# Altium PCB PCB1.PcbDoc (part 6 of 8) (continued)
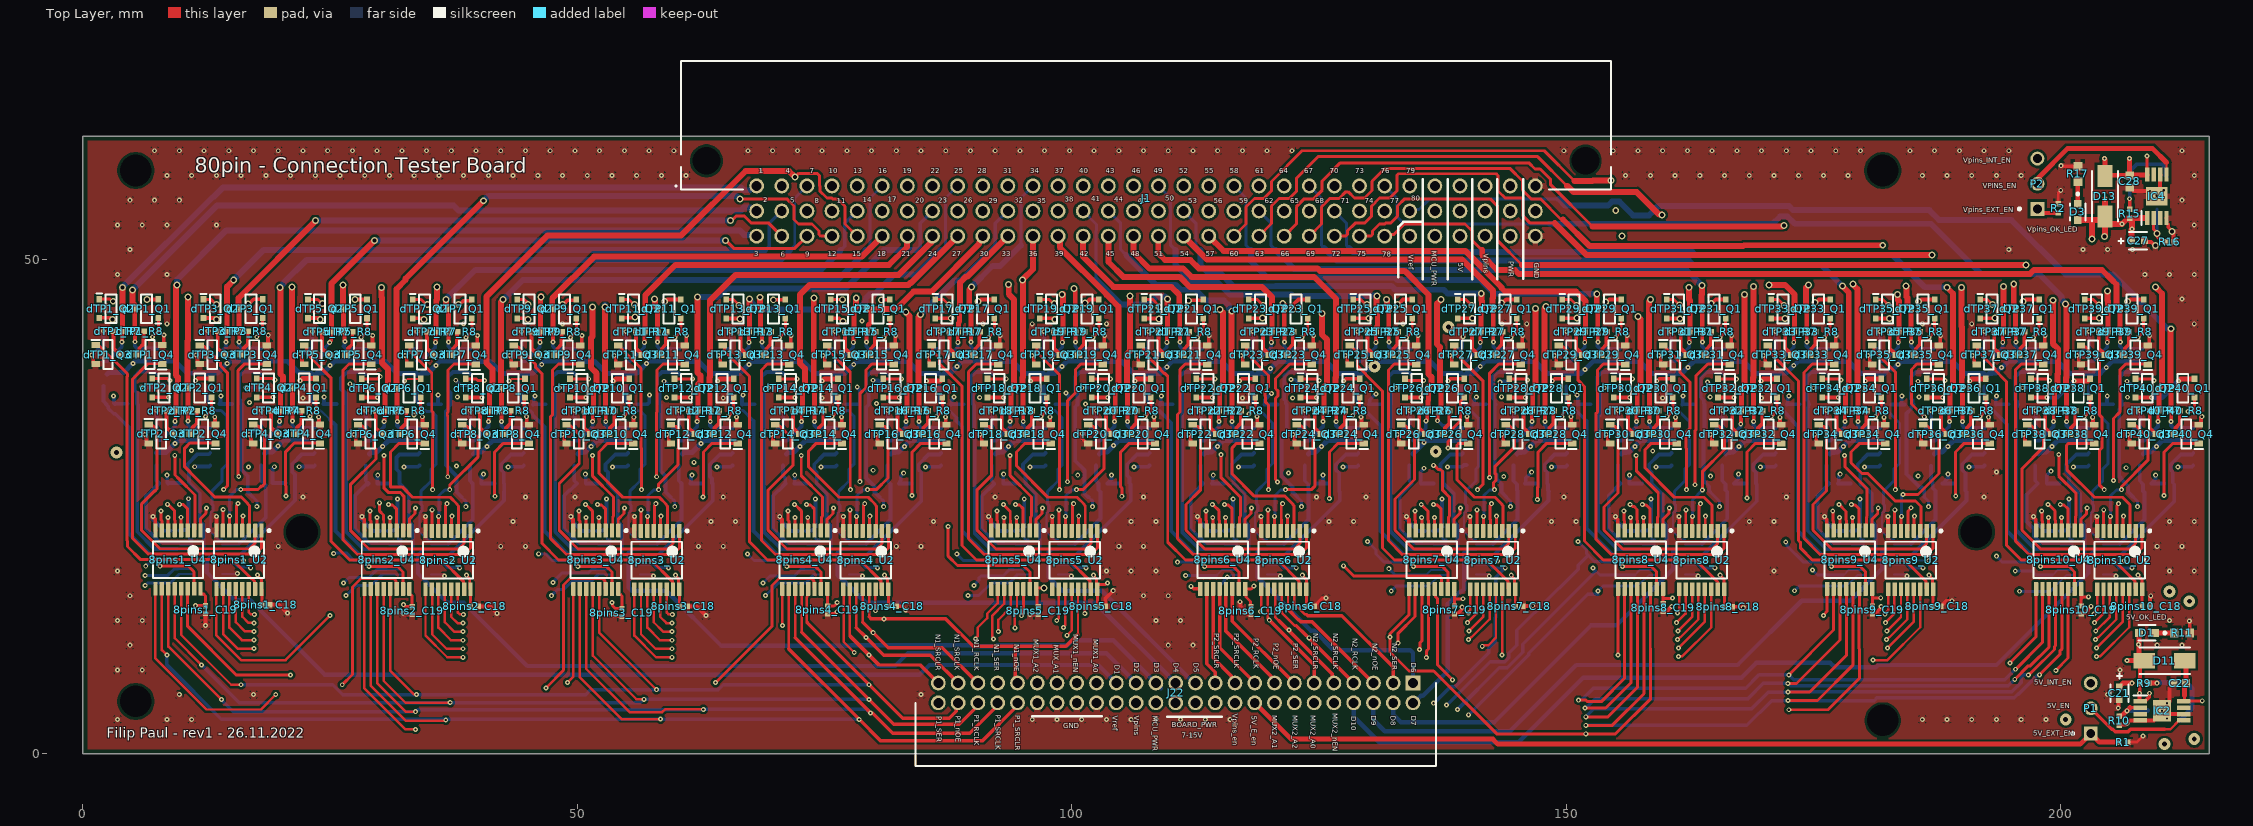
[diagram p0: Top Layer view]
## Nets (pads, with @x,y where several pads share a name; then routed paths per layer and width w, separated by ;. In a path a pad name is that pad's centre, name@x,y a point inside that pad or via, vN(x,y) a via of type N, cw(c..) or ccw(c..) an arc to the next point about the centre after c; other vN are vias at no path point) (continued)
  Layer 3 w0.35: 81.868,51.192 82.115,51.44 82.115,53.65 J1.B7@83.37,54.905
  Layer 3 w0.6: v3(52.8,45.195) 56.55,48.945 79.62,48.945 81.868,51.192
  Bottom Layer w0.38: v1(52.872,33.638) 52.849,33.615 52.849,33.215 53.094,32.97 dTP10_IC1.5@55.111,32.97
  Bottom Layer w0.6: v3(52.8,45.195) 52.81,45.204 v3@52.81,45.404
TP_21_41: dTP11_IC1.3 dTP11_Q2.3 dTP11_R7.1 J1.C7 | length 37.4
  Top Layer w0.38: v1(56.771,41.627) 56.794,41.65 56.794,42.7 dTP11_R7.1@56.821,42.727
  Top Layer w0.5: dTP11_R7.1@56.821,42.727 56.846,42.752 56.846,42.949 56.859,42.962 dTP11_Q2.3@56.859,45.027
  Top Layer w0.6: dTP11_Q2.3@56.863,45.013 56.863,46.399 59.909,49.445 81.5,49.445 83.328,51.273 83.328,52.323 J1.C7@83.37,52.365
  Bottom Layer w0.38: dTP11_IC1.3@54.909,39.712 55.347,39.712 56.771,41.137 v1(56.771,41.627)
TP_22_41: dTP11_IC1.5 dTP11_Q1.3 dTP11_R8.1 J1.A8 | length 43.4
  Top Layer w0.38: dTP11_R8.1@58.083,42.765 58.094,42.755 v1(58.094,41.65)
  Top Layer w0.5: dTP11_R8.1@58.083,42.765 dTP11_Q1.3@58.083,45.027
  Top Layer w0.6: v3(57.815,45.991) 57.834,45.972 57.834,45.277 dTP11_Q1.3@58.083,45.027
  Layer 3 w0.3: 83.843,50.819 84.68,51.656 84.68,56.215 J1.A8@85.91,57.445
  Layer 3 w0.6: v3(57.815,45.991) 57.834,46.011 57.834,47.081 58.698,47.945 80.969,47.945 83.843,50.819
  Bottom Layer w0.38: v1(58.094,41.65) 58.071,41.627 58.071,41.227 58.316,40.982 dTP11_IC1.5@60.333,40.982
TP_23_41: dTP12_IC1.3 dTP12_Q2.3 dTP12_R7.1 J1.B8 | length 44.5
  Top Layer w0.38: v1(62.115,33.615) 62.138,33.638 62.138,34.688 dTP12_R7.1@62.165,34.715
  Top Layer w0.5: dTP12_R7.1@62.165,34.715 62.19,34.74 62.19,34.936 62.203,34.949 dTP12_Q2.3@62.203,37.015
  Top Layer w0.6: v3@62.131,46.167 62.131,38.577 62.435,38.273 62.435,37.607 62.205,37.377 dTP12_Q2.3@62.205,36.99
  Bottom Layer w0.35: 84.24,50.945 84.655,51.36 84.655,53.65 J1.B8@85.91,54.905
  Bottom Layer w0.38: dTP12_IC1.3@60.253,31.7 60.691,31.7 62.115,33.124 v1(62.115,33.615)
  Bottom Layer w0.6: v3(62.131,46.194) 64.194,46.194 65.091,47.091 77.146,47.091 81,50.945 84.24,50.945
TP_24_41: dTP12_IC1.5 dTP12_Q1.3 dTP12_R8.1 J1.C8 | length 40.6
  Top Layer w0.38: dTP12_R8.1@63.427,34.753 63.438,34.742 v1(63.438,33.638)
  Top Layer w0.5: dTP12_R8.1@63.427,34.753 dTP12_Q1.3@63.427,37.015
  Top Layer w0.6: dTP12_Q1.3@63.429,36.99 63.429,37.334 63.373,37.39 63.373,38.056 63.429,38.112 63.429,45.874 66,48.445 82.5,48.445 85.738,51.683 85.738,52.193 J1.C8@85.91,52.365
  Bottom Layer w0.38: v1(63.438,33.638) 63.415,33.615 63.415,33.215 63.66,32.97 dTP12_IC1.5@65.677,32.97
TP_25_41: dTP13_IC1.3 dTP13_Q2.3 dTP13_R7.1 J1.A9 | length 37.2
  Top Layer w0.38: v1(67.337,41.627) 67.36,41.65 67.36,42.7 dTP13_R7.1@67.387,42.727
  Top Layer w0.5: dTP13_R7.1@67.387,42.727 67.412,42.752 67.412,42.949 67.425,42.962 dTP13_Q2.3@67.425,45.027
  Top Layer w0.6: v3(67.409,46.022) 67.425,46.006 dTP13_Q2.3@67.425,45.027
  Bottom Layer w0.3: 86.74,50.945 87.22,51.425 87.22,56.215 J1.A9@88.45,57.445
  Bottom Layer w0.38: dTP13_IC1.3@65.475,39.712 65.913,39.712 67.337,41.137 v1(67.337,41.627)
  Bottom Layer w0.6: v3(67.409,46.022) 67.409,45.995 67.579,45.825 67.579,45.694 68.342,44.932 78.367,44.932 79.162,45.726 79.162,46.069 79.633,46.54 80.095,46.54 82.062,48.507 84.302,48.507 86.74,50.945
TP_26_41: dTP13_IC1.5 dTP13_Q1.3 dTP13_R8.1 J1.B9 | length 32.5
  Top Layer w0.38: v1(68.66,41.65) dTP13_R8.1@68.66,42.755
  Top Layer w0.5: dTP13_Q1.3@68.651,45.003 68.651,44.981 68.5,44.83 68.5,42.892 dTP13_R8.1@68.689,42.703
  Top Layer w0.6: v3(68.451,46.187) 68.47,46.168 68.47,45.182 dTP13_Q1.3@68.639,45.013
  Layer 2 w0.35: 86.74,50.945 87.195,51.4 87.195,53.65 J1.B9@88.45,54.905
  Layer 2 w0.6: v3(68.451,46.187) 68.478,46.187 69.303,47.011 82.807,47.011 86.74,50.945
  Bottom Layer w0.38: v1(68.66,41.65) 68.637,41.627 68.637,41.227 68.882,40.982 dTP13_IC1.5@70.899,40.982
TP_27_41: dTP14_IC1.3 dTP14_Q2.3 dTP14_R7.1 J1.C9 | length 34.5
  Top Layer w0.38: v1(72.656,33.615) 72.679,33.638 72.679,34.688 dTP14_R7.1@72.706,34.715
  Top Layer w0.5: dTP14_R7.1@72.706,34.715 72.731,34.74 72.731,34.936 72.744,34.949 dTP14_Q2.3@72.744,37.015
  Top Layer w0.6: dTP14_Q2.3@72.746,36.99 73.001,37.246 73.001,38.982 72.5,39.483 72.5,46.445 73.5,47.445 83.473,47.445 83.645,47.617 83.702,47.617 J1.C9@88.45,52.365
  Bottom Layer w0.38: dTP14_IC1.3@70.794,31.7 71.232,31.7 72.656,33.124 v1(72.656,33.615)
TP_28_41: dTP14_IC1.5 dTP14_Q1.3 dTP14_R8.1 J1.A10 | length 40.8
  Top Layer w0.38: dTP14_R8.1@73.968,34.753 73.979,34.742 v1(73.979,33.638)
  Top Layer w0.5: dTP14_R8.1@73.968,34.753 dTP14_Q1.3@73.968,37.015
  Top Layer w0.6: v3(73.915,46.107) 73.9,46.093 73.9,37.251 73.968,37.183 dTP14_Q1.3@73.968,37.015
  Layer 2 w0.3: 89.24,50.945 89.76,51.465 89.76,56.215 J1.A10@90.99,57.445
  Layer 2 w0.6: v3(73.915,46.107) 75.09,44.932 82.167,44.932 88.18,50.945 89.24,50.945
  Bottom Layer w0.38: v1(73.979,33.638) 73.956,33.615 73.956,33.215 74.201,32.97 dTP14_IC1.5@76.218,32.97
TP_29_41: dTP15_IC1.3 dTP15_Q2.3 dTP15_R7.1 J1.B10 | length 25.3
  Top Layer w0.38: v1(77.904,41.627) 77.927,41.65 77.927,42.7 dTP15_R7.1@77.954,42.727
  Top Layer w0.5: dTP15_R7.1@77.956,42.703 77.956,43.715 77.992,43.751 77.992,44.943 77.994,44.945 dTP15_Q2.3@77.994,45.003
  Top Layer w0.6: dTP15_Q2.3@77.992,45.027 78.181,45.217 78.181,46.088 v3(78.201,46.107)
  Layer 3 w0.35: 89.24,50.945 89.735,51.44 89.735,53.65 J1.B10@90.99,54.905
  Layer 3 w0.6: v3(78.201,46.107) 79.184,47.091 81.928,47.091 85.782,50.945 89.24,50.945
  Bottom Layer w0.38: dTP15_IC1.3@76.042,39.712 76.479,39.712 77.904,41.137 v1(77.904,41.627)
TP_30_41: dTP15_IC1.5 dTP15_Q1.3 dTP15_R8.1 J1.C10 | length 21.8
  Top Layer w0.38: v1(79.227,41.65) dTP15_R8.1@79.227,42.755
  Top Layer w0.5: dTP15_Q1.3@79.218,45.003 79.218,44.981 79.255,44.943 79.408,44.943 79.701,44.65 79.701,43.646 79.431,43.375 79.431,43.021 79.281,42.871 79.281,42.728 dTP15_R8.1@79.256,42.703
  Top Layer w0.6: dTP15_Q1.3@79.218,45.003 79.228,44.993 79.571,44.993 79.633,44.932 80.299,44.932 80.37,45.003 82.239,45.003 83.999,46.763 85.818,46.763 90.638,51.583 90.638,51.77 90.99,52.121 J1.C10@90.99,52.365
  Bottom Layer w0.38: v1(79.227,41.65) 79.204,41.627 79.204,41.227 79.449,40.982 dTP15_IC1.5@81.466,40.982
TP_31_41: dTP16_IC1.3 dTP16_Q2.3 dTP16_R7.1 J1.A11 | length 33.4
  Top Layer w0.38: v1(83.223,33.615) 83.246,33.638 83.246,34.688 dTP16_R7.1@83.273,34.715
  Top Layer w0.5: dTP16_R7.1@83.273,34.715 83.298,34.74 83.298,34.936 83.311,34.949 dTP16_Q2.3@83.311,37.015
  Top Layer w0.6: v3(83.208,44.694) 83.208,44.667 83.568,44.308 83.568,37.246 83.325,37.003 83.325,37 83.315,36.99 dTP16_Q2.3@83.312,36.99
  Layer 3 w0.3: 91.463,50.819 92.3,51.656 92.3,56.215 J1.A11@93.53,57.445
  Layer 3 w0.6: v3(83.208,44.694) 83.208,45.969 87.33,50.091 89.594,50.091 90.322,50.819 91.463,50.819
  Bottom Layer w0.38: dTP16_IC1.3@81.361,31.7 81.798,31.7 83.223,33.124 v1(83.223,33.615)
TP_32_41: dTP16_IC1.5 dTP16_Q1.3 dTP16_R8.1 J1.B11 | length 28.2
  Top Layer w0.38: dTP16_R8.1@84.535,34.753 84.546,34.742 v1(84.546,33.638)
  Top Layer w0.5: dTP16_R8.1@84.535,34.753 dTP16_Q1.3@84.535,37.015
  Top Layer w0.6: dTP16_Q1.3@84.535,37.015 84.535,37.336 84.481,37.39 84.481,44.204 84.679,44.402 v3(84.679,44.429)
  Bottom Layer w0.35: 92.275,51.36 92.275,53.65 J1.B11@93.53,54.905
  Bottom Layer w0.38: v1(84.546,33.638) 84.523,33.615 84.523,33.215 84.768,32.97 dTP16_IC1.5@86.785,32.97
  Bottom Layer w0.6: v3(84.679,44.429) 88.154,47.904 88.819,47.904 92.275,51.36
TP_33_41: dTP17_IC1.3 dTP17_Q2.3 dTP17_R7.1 J1.C11 | length 16
  Top Layer w0.38: v1(88.47,41.627) 88.493,41.65 88.493,42.7 dTP17_R7.1@88.52,42.727
  Top Layer w0.5: dTP17_R7.1@88.522,42.703 88.522,43.574 88.658,43.71 88.658,44.418 88.597,44.478 88.597,44.966 dTP17_Q2.3@88.56,45.003
  Top Layer w0.6: dTP17_Q2.3@88.56,45.003 88.688,45.132 88.688,47.658 89.33,48.299 89.464,48.299 J1.C11@93.53,52.365
  Bottom Layer w0.38: dTP17_IC1.3@86.608,39.712 87.046,39.712 88.47,41.137 v1(88.47,41.627)
TP_34_41: dTP17_IC1.5 dTP17_Q1.3 dTP17_R8.1 J1.A12 | length 21.8
  Top Layer w0.38: dTP17_R8.1@89.782,42.765 89.793,42.755 v1(89.793,41.65)
  Top Layer w0.5: dTP17_R8.1@89.782,42.765 dTP17_Q1.3@89.782,45.027
  Top Layer w0.6: dTP17_Q1.3@89.782,45.027 89.628,45.181 89.628,46.969 89.867,47.208 v3(89.867,47.235)
  Bottom Layer w0.3: 94.84,51.425 94.84,56.215 J1.A12@96.07,57.445
  Bottom Layer w0.38: v1(89.793,41.65) 89.77,41.627 89.77,41.227 90.015,40.982 dTP17_IC1.5@92.032,40.982
  Bottom Layer w0.6: v3(89.867,47.235) 91.971,49.339 92.755,49.339 94.84,51.425
TP_35_41: dTP18_IC1.3 dTP18_Q2.3 dTP18_R7.1 J1.B12 | length 25.7
  Top Layer w0.38: v1(93.764,33.615) 93.787,33.638 93.787,34.688 dTP18_R7.1@93.814,34.715
  Top Layer w0.5: dTP18_R7.1@93.814,34.715 93.839,34.74 93.839,34.936 93.852,34.949 dTP18_Q2.3@93.852,37.015
  Top Layer w0.6: v3(93.6,47.495) 93.619,47.476 93.619,46.493 94.168,45.945 94.168,37.305 dTP18_Q2.3@93.853,36.99
  Layer 2 w0.35: 94.815,51.4 94.815,53.65 J1.B12@96.07,54.905
  Layer 2 w0.6: v3(93.6,47.495) 93.6,50.185 94.815,51.4
  Bottom Layer w0.38: dTP18_IC1.3@91.902,31.7 92.339,31.7 93.764,33.124 v1(93.764,33.615)
TP_36_41: dTP18_IC1.5 dTP18_Q1.3 dTP18_R8.1 J1.C12 | length 21.8
  Top Layer w0.38: dTP18_R8.1@95.076,34.753 95.087,34.742 v1(95.087,33.638)
  Top Layer w0.5: dTP18_R8.1@95.076,34.753 dTP18_Q1.3@95.076,37.015
  Top Layer w0.6: v3(95,47.945) 96.07,49.015 J1.C12@96.07,52.365 ; v3@95.063,47.73 95.063,38.097 95.022,38.056 95.022,37.237 95.076,37.183 dTP18_Q1.3@95.076,37.015
  Bottom Layer w0.38: v1(95.087,33.638) 95.064,33.615 95.064,33.215 95.309,32.97 dTP18_IC1.5@97.326,32.97
TP_37_41: dTP19_IC1.3 dTP19_Q2.3 dTP19_R7.1 J1.A13 | length 20
  Top Layer w0.38: v1(99.037,41.627) 99.06,41.65 99.06,42.7 dTP19_R7.1@99.087,42.727
  Top Layer w0.5: dTP19_R7.1@99.087,42.727 99.112,42.752 99.112,42.949 99.125,42.962 dTP19_Q2.3@99.125,45.027
  Top Layer w0.6: v3@99.1,46.495 99.11,46.485 99.11,45.796 99.125,45.781 dTP19_Q2.3@99.125,45.027
  Layer 2 w0.3: 97.38,51.465 97.38,56.215 J1.A13@98.61,57.445
  Layer 2 w0.6: 97.38,51.465 97.38,48.065 v3(99,46.445)
  Bottom Layer w0.38: dTP19_IC1.3@97.175,39.712 97.612,39.712 99.037,41.137 v1(99.037,41.627)
TP_38_41: dTP19_IC1.5 dTP19_Q1.3 dTP19_R8.1 J1.B13 | length 17.8
  Top Layer w0.38: dTP19_R8.1@100.349,42.765 100.36,42.755 v1(100.36,41.65)
  Top Layer w0.5: v3(100.205,47.079) 100.205,47.025 100.345,46.885 100.345,45.009 dTP19_Q1.3@100.35,45.003 ; dTP19_R8.1@100.349,42.765 dTP19_Q1.3@100.349,45.003
  Layer 3 w0.35: 97.355,51.44 97.355,53.65 J1.B13@98.61,54.905
  Layer 3 w0.5: 97.355,51.44 97.355,49.929 v3(100.205,47.079)
  Bottom Layer w0.38: v1(100.36,41.65) 100.337,41.627 100.337,41.227 100.582,40.982 dTP19_IC1.5@102.599,40.982
TP_39_41: dTP20_IC1.3 dTP20_Q2.3 dTP20_R7.1 J1.C13 | length 24.4
  Top Layer w0.38: v1(104.305,33.615) 104.328,33.638 104.328,34.688 dTP20_R7.1@104.355,34.715
  Top Layer w0.5: dTP20_R7.1@104.355,34.715 104.38,34.74 104.38,34.936 104.393,34.949 dTP20_Q2.3@104.393,37.015
  Top Layer w0.6: J1.C13@98.61,52.365 98.782,52.193 98.782,51.202 103.514,46.47 103.514,46.431 104.7,45.244 104.7,37.297 dTP20_Q2.3@104.394,36.99
  Bottom Layer w0.38: dTP20_IC1.3@102.443,31.7 102.88,31.7 104.305,33.124 v1(104.305,33.615)
TP_40_41: dTP20_IC1.5 dTP20_Q1.3 dTP20_R8.1 J1.A14 | length 30.8
  Top Layer w0.38: dTP20_R8.1@105.617,34.753 105.628,34.742 v1(105.628,33.638)
  Top Layer w0.5: dTP20_R8.1@105.617,34.753 dTP20_Q1.3@105.617,37.015
  Top Layer w0.6: dTP20_Q1.3@105.618,36.99 105.618,37.334 105.563,37.39 105.563,40.454 105.9,40.791 v3@105.9,46.268
  Layer 3 w0.3: 99.92,50.525 99.92,56.215 J1.A14@101.15,57.445
  Layer 3 w0.6: 99.92,50.525 104.15,46.295 v3(105.9,46.295)
  Bottom Layer w0.38: v1(105.628,33.638) 105.605,33.615 105.605,33.215 105.85,32.97 dTP20_IC1.5@107.867,32.97
TP_41_41: dTP21_IC1.3 dTP21_Q2.3 dTP21_R7.1 J1.B14 | length 23.6
  Top Layer w0.38: v1(109.603,41.627) 109.626,41.65 109.626,42.7 dTP21_R7.1@109.653,42.727
  Top Layer w0.5: dTP21_R7.1@109.653,42.727 109.678,42.752 109.678,42.949 109.691,42.962 dTP21_Q2.3@109.691,45.027
  Top Layer w0.6: v3(109.676,46.02) 109.691,46.005 dTP21_Q2.3@109.691,45.027
  Bottom Layer w0.3: J1.B14@101.15,54.905 102.5,53.555 102.5,52.914 102.46,52.874 102.46,47.985
  Bottom Layer w0.38: dTP21_IC1.3@107.741,39.712 108.179,39.712 109.603,41.137 v1(109.603,41.627)
  Bottom Layer w0.6: 102.46,47.985 105,45.445 105.472,45.445 105.526,45.391 106.274,45.391 106.328,45.445 107.747,45.445 108.554,46.252 109.418,46.252 109.649,46.02 v3(109.676,46.02)
TP_42_41: dTP21_IC1.5 dTP21_Q1.3 dTP21_R8.1 J1.C14 | length 21
  Top Layer w0.38: dTP21_R8.1@110.915,42.765 110.926,42.755 v1(110.926,41.65)
  Top Layer w0.5: dTP21_R8.1@110.915,42.765 dTP21_Q1.3@110.915,45.027
  Top Layer w0.6: J1.C14@101.15,52.365 101.15,50.295 104.226,47.219 110.069,47.219 110.861,46.427 110.861,45.403 110.917,45.347 dTP21_Q1.3@110.917,45.003
  Bottom Layer w0.38: v1(110.926,41.65) 110.903,41.627 110.903,41.227 111.148,40.982 dTP21_IC1.5@113.165,40.982
TP_43_41: dTP22_IC1.3 dTP22_Q2.3 dTP22_R7.1 J1.A15 | length 35.2
  Top Layer w0.38: v1(114.871,33.615) 114.894,33.638 114.894,34.688 dTP22_R7.1@114.921,34.715
  Top Layer w0.5: dTP22_R7.1@114.921,34.715 114.946,34.74 114.946,34.936 114.959,34.949 dTP22_Q2.3@114.959,37.015
  Top Layer w0.6: dTP22_Q2.3@114.961,36.99 114.963,36.99 115.267,37.294 115.267,44.651 115,44.918 v3(115,44.945)
  Layer 3 w0.3: J1.A15@103.69,57.445 105,56.135 105,51.445 105.5,50.945
  Layer 3 w0.6: 105.5,50.945 105.5,49.445 107.814,47.13 110.061,47.13 110.696,46.495 110.696,45.568 111.332,44.932 114.987,44.932 v3(115,44.945)
  Bottom Layer w0.38: dTP22_IC1.3@113.009,31.7 113.447,31.7 114.871,33.124 v1(114.871,33.615)
TP_44_41: dTP22_IC1.5 dTP22_Q1.3 dTP22_R8.1 J1.B15 | length 32.4
  Top Layer w0.38: dTP22_R8.1@116.183,34.753 116.194,34.742 v1(116.194,33.638)
  Top Layer w0.5: dTP22_R8.1@116.183,34.753 dTP22_Q1.3@116.183,37.015
  Top Layer w0.6: v3(116.171,44.774) 116.171,44.747 116.129,44.705 116.129,37.39 116.183,37.336 116.183,36.992 dTP22_Q1.3@116.185,36.99
  Bottom Layer w0.32: J1.B15@103.69,54.905 104.93,53.665 104.93,51.015 105.5,50.445
  Bottom Layer w0.38: v1(116.194,33.638) 116.171,33.615 116.171,33.215 116.416,32.97 dTP22_IC1.5@118.433,32.97
  Bottom Layer w0.6: 105.5,50.445 108.5,47.445 110.5,47.445 111,46.945 112.5,46.945 113.596,45.849 115.374,45.849 115.904,45.319 115.904,45.068 116.171,44.801 v3(116.171,44.774)
TP_45_41: dTP23_IC1.3 dTP23_Q2.3 dTP23_R7.1 J1.C15 | length 28.2
  Top Layer w0.38: v1(120.169,41.627) 120.192,41.65 120.192,42.7 dTP23_R7.1@120.219,42.727
  Top Layer w0.5: dTP23_R7.1@120.219,42.727 120.244,42.752 120.244,42.949 120.257,42.962 dTP23_Q2.3@120.257,45.027
  Top Layer w0.6: J1.C15@103.69,52.365 103.702,52.353 103.702,49.743 105.199,48.246 110.907,48.246 111.947,47.206 119.239,47.206 120.257,46.187 dTP23_Q2.3@120.257,45.027
  Bottom Layer w0.38: dTP23_IC1.3@118.307,39.712 118.745,39.712 120.169,41.137 v1(120.169,41.627)
TP_46_41: dTP23_IC1.5 dTP23_Q1.3 dTP23_R8.1 J1.A16 | length 29.6
  Top Layer w0.38: dTP23_R8.1@121.481,42.765 121.492,42.755 v1(121.492,41.65)
  Top Layer w0.5: dTP23_R8.1@121.481,42.765 dTP23_Q1.3@121.481,45.027
  Top Layer w0.6: v3(121.326,45.577) 121.326,45.55 121.45,45.425 121.45,45.059 dTP23_Q1.3@121.481,45.027
  Layer 2 w0.3: J1.A16@106.23,57.445 107.46,56.215 107.46,51.485 108,50.945
  Layer 2 w0.6: 108,50.945 112.5,46.445 120.431,46.445 121.299,45.577 v3(121.326,45.577)
  Bottom Layer w0.38: v1(121.492,41.65) 121.469,41.627 121.469,41.227 121.714,40.982 dTP23_IC1.5@123.731,40.982
TP_47_41: dTP24_IC1.3 dTP24_Q2.3 dTP24_R7.1 J1.B16 | length 39.6
  Top Layer w0.38: v1(125.412,33.615) 125.435,33.638 125.435,34.688 dTP24_R7.1@125.462,34.715
  Top Layer w0.5: dTP24_R7.1@125.462,34.715 125.487,34.74 125.487,34.936 125.5,34.949 dTP24_Q2.3@125.5,37.015
  Top Layer w0.6: v3(125.304,44.553) 125.304,42.403 125.816,41.89 125.816,37.429 125.502,37.115 dTP24_Q2.3@125.502,36.99
  Layer 3 w0.3: J1.B16@106.23,54.905 107.5,53.635 107.5,51.445 108,50.945
  Layer 3 w0.6: 108,50.945 112.5,46.445 120.916,46.445 120.952,46.481 121.701,46.481 121.736,46.445 124.552,46.445 125.304,45.693 v3(125.304,44.553)
  Bottom Layer w0.38: dTP24_IC1.3@123.55,31.7 123.988,31.7 125.412,33.124 v1(125.412,33.615)
TP_48_41: dTP24_IC1.5 dTP24_Q1.3 dTP24_R8.1 J1.C16 | length 39.3
  Top Layer w0.38: dTP24_R8.1@126.724,34.753 126.735,34.742 v1(126.735,33.638)
  Top Layer w0.5: dTP24_R8.1@126.724,34.753 dTP24_Q1.3@126.724,37.015
  Top Layer w0.6: J1.C16@106.23,52.365 106.23,50.715 107.845,49.1 111.26,49.1 112.106,48.255 124.487,48.255 126.712,46.03 126.712,38.097 126.67,38.056 126.67,37.237 126.724,37.183 dTP24_Q1.3@126.724,37.015
  Bottom Layer w0.38: v1(126.735,33.638) 126.712,33.615 126.712,33.215 126.957,32.97 dTP24_IC1.5@128.974,32.97
TP_49_41: dTP25_IC1.3 dTP25_Q2.3 dTP25_R7.1 J1.A17 | length 38.2
  Top Layer w0.38: v1(130.736,41.627) 130.759,41.65 130.759,42.7 dTP25_R7.1@130.786,42.727
  Top Layer w0.5: dTP25_R7.1@130.788,42.703 130.813,42.728 130.813,43.185 130.924,43.296 130.924,44.418 130.863,44.478 130.863,44.966 dTP25_Q2.3@130.826,45.003
  Top Layer w0.6: dTP25_Q2.3@130.826,45.003 130.826,45.32 130.828,45.323 130.828,46.305 v3(130.847,46.324)
  Bottom Layer w0.3: J1.A17@108.77,57.445 110,56.215 110,51.445 110.5,50.945
  Bottom Layer w0.38: dTP25_IC1.3@128.874,39.712 129.311,39.712 130.736,41.137 v1(130.736,41.627)
  Bottom Layer w0.6: 110.5,50.945 110.5,49.445 112.146,47.799 114.632,47.799 115.986,46.445 120.916,46.445 120.952,46.481 122.208,46.481 122.365,46.324 129.618,46.324 129.645,46.352 130.394,46.352 130.403,46.343 130.801,46.343 v3@130.82,46.324
TP_50_41: dTP25_IC1.5 dTP25_Q1.3 dTP25_R8.1 J1.B17 | length 35.7
  Top Layer w0.38: dTP25_R8.1@132.048,42.765 132.059,42.755 v1(132.059,41.65)
  Top Layer w0.5: dTP25_R8.1@132.048,42.765 dTP25_Q1.3@132.048,45.027
  Top Layer w0.6: v3(131.83,45.954) 131.849,45.935 131.849,45.226 dTP25_Q1.3@132.048,45.027
  Layer 2 w0.3: J1.B17@108.77,54.905 110,53.675 110,51.445 110.5,50.945
  Layer 2 w0.6: 110.5,50.945 114,47.445 117.912,47.445 118.058,47.299 131.151,47.299 131.811,46.639 131.811,45.973 v3(131.83,45.954)
  Bottom Layer w0.38: v1(132.059,41.65) 132.036,41.627 132.036,41.227 132.281,40.982 dTP25_IC1.5@134.298,40.982
TP_51_41: dTP26_IC1.3 dTP26_Q2.3 dTP26_R7.1 J1.C17 | length 46.5
  Top Layer w0.38: v1(135.823,33.694) 135.823,33.727 135.945,33.849 135.945,34.631 dTP26_R7.1@136.028,34.715
  Top Layer w0.5: dTP26_R7.1@136.03,34.69 136.03,35.702 136.066,35.739 136.066,36.989 dTP26_Q2.3@136.068,36.99
  Top Layer w0.6: J1.C17@108.77,52.365 108.742,52.337 108.742,50.64 109.428,49.954 111.991,49.954 112.837,49.109 124.841,49.109 125.099,48.85 133.66,48.85 136.068,46.442 136.068,38.409 136.382,38.095 136.382,37.429 136.068,37.115 dTP26_Q2.3@136.068,36.99
  Bottom Layer w0.38: dTP26_IC1.3@134.554,31.7 135.8,32.946 135.8,33.671 v1(135.823,33.694)
TP_52_41: dTP26_IC1.5 dTP26_Q1.3 dTP26_R8.1 J1.A18 | length 49.7
  Top Layer w0.38: v1@136.968,33.731 136.968,34.328 dTP26_R8.1@137.287,34.647
  Top Layer w0.5: dTP26_Q1.3@137.292,36.99 137.292,36.968 137.33,36.93 dTP26_Q1.3@137.33,36.709 ; dTP26_R8.1@137.33,34.69 dTP26_Q1.3@137.33,36.709
  Top Layer w0.6: dTP26_Q1.3@137.292,36.99 137.282,37 137.282,37.191 137.236,37.237 137.236,41.135 136.922,41.45 136.922,45.539 v3(137.328,45.945)
  Layer 3 w0.3: J1.A18@111.31,57.445 112.62,56.135 112.62,51.445 113.12,50.945
  Layer 3 w0.6: 113.12,50.945 113.12,49.843 115.653,47.31 120.573,47.31 120.598,47.335 122.054,47.335 122.079,47.31 132.361,47.31 133.726,45.945 v3(137.328,45.945)
  Bottom Layer w0.38: v1(136.968,33.698) 137,33.698 137.507,33.191 137.889,33.191 138.111,32.97 dTP26_IC1.5@139.54,32.97
TP_53_41: dTP27_IC1.3 dTP27_Q2.3 dTP27_R7.1 J1.B18 | length 43.7
  Top Layer w0.38: v1(141.302,41.627) 141.325,41.65 141.325,42.7 dTP27_R7.1@141.352,42.727
  Top Layer w0.5: dTP27_R7.1@141.352,42.727 141.377,42.752 141.377,42.949 141.39,42.962 dTP27_Q2.3@141.39,45.027
  Top Layer w0.6: dTP27_Q2.3@141.43,45.041 141.49,45.102 141.49,45.822 141.43,45.883 141.43,46.472 141.422,46.48 141.422,46.535 v3@141.43,46.543
  Bottom Layer w0.3: J1.B18@111.31,54.905 112.54,53.675 112.54,51.405 113,50.945
  Bottom Layer w0.38: dTP27_IC1.3@139.44,39.712 139.878,39.712 141.302,41.137 v1(141.302,41.627)
  Bottom Layer w0.6: 113,50.945 113,49.445 113.792,48.653 114.986,48.653 116.34,47.299 120.562,47.299 120.598,47.335 132.32,47.335 132.71,46.945 137.606,46.945 137.981,46.57 v3(141.403,46.57)
TP_54_41: dTP27_IC1.5 dTP27_Q1.3 dTP27_R8.1 J1.C18 | length 41.6
  Top Layer w0.38: dTP27_R8.1@142.614,42.765 142.625,42.755 v1(142.625,41.65)
  Top Layer w0.5: dTP27_R8.1@142.614,42.765 dTP27_Q1.3@142.614,45.027
  Top Layer w0.6: J1.C18@111.31,52.365 113.657,50.018 139.427,50.018 142.602,46.843 142.602,46.11 142.56,46.069 142.56,45.25 142.614,45.196 dTP27_Q1.3@142.614,45.027
  Bottom Layer w0.38: v1(142.625,41.65) 142.602,41.627 142.602,41.227 142.847,40.982 dTP27_IC1.5@144.864,40.982
TP_55_41: dTP28_IC1.3 dTP28_Q2.3 dTP28_R7.1 J1.A19 | length 56.5
  Top Layer w0.38: v1(146.519,33.615) 146.542,33.638 146.542,34.688 dTP28_R7.1@146.569,34.715
  Top Layer w0.5: dTP28_R7.1@146.569,34.715 146.594,34.74 146.594,34.936 146.607,34.949 dTP28_Q2.3@146.607,37.015
  Top Layer w0.6: dTP28_Q2.3@146.609,36.99 146.612,36.99 146.89,37.269 146.89,45.019 v3(146.873,45.036)
  Layer 2 w0.3: J1.A19@113.85,57.445 115.08,56.215 115.08,51.485 115.62,50.945
  Layer 2 w0.6: 115.62,50.945 118.412,48.153 131.504,48.153 131.534,48.123 145.445,48.123 146.873,46.694 v3(146.873,45.036)
  Bottom Layer w0.38: dTP28_IC1.3@144.657,31.7 145.095,31.7 146.519,33.124 v1(146.519,33.615)
TP_56_41: dTP28_IC1.5 dTP28_Q1.3 dTP28_R8.1 J1.B19 | length 55.2
  Top Layer w0.38: dTP28_R8.1@147.831,34.753 147.842,34.742 v1(147.842,33.638)
  Top Layer w0.5: dTP28_R8.1@147.831,34.753 dTP28_Q1.3@147.831,37.015
  Top Layer w0.6: dTP28_Q1.3@147.831,37.015 147.831,37.183 147.777,37.237 147.777,45.06 147.929,45.211 v3(147.929,45.239)
  Layer 3 w0.3: J1.B19@113.85,54.905 115.12,53.635 115.12,51.445 115.62,50.945
  Layer 3 w0.6: 115.62,50.945 115.62,50.62 118.07,48.17 120.226,48.17 120.244,48.189 122.408,48.189 122.427,48.17 132.708,48.17 133.54,47.339 140.893,47.339 141.028,47.474 147.392,47.474 147.879,46.987 147.879,45.316 147.929,45.266 v3(147.929,45.239)
  Bottom Layer w0.38: v1(147.842,33.638) 147.819,33.615 147.819,33.215 148.064,32.97 dTP28_IC1.5@150.081,32.97
TP_57_41: dTP29_IC1.3 dTP29_Q2.3 dTP29_R7.1 J1.C19 | length 48
  Top Layer w0.38: v1(151.869,41.627) 151.892,41.65 151.892,42.7 dTP29_R7.1@151.919,42.727
  Top Layer w0.5: dTP29_R7.1@151.919,42.727 151.944,42.752 151.944,42.949 151.957,42.962 dTP29_Q2.3@151.957,45.027
  Top Layer w0.6: J1.C19@113.85,52.365 115.343,50.872 139.781,50.872 143.456,47.197 143.456,47.115 143.807,46.763 150.974,46.763 151.957,45.781 151.957,45.005 dTP29_Q2.3@151.958,45.003
  Bottom Layer w0.38: dTP29_IC1.3@150.007,39.712 150.444,39.712 151.869,41.137 v1(151.869,41.627)
TP_58_41: dTP29_IC1.5 dTP29_Q1.3 dTP29_R8.1 J1.A20 | length 52.4
  Top Layer w0.38: dTP29_R8.1@153.181,42.765 153.192,42.755 v1(153.192,41.65)
  Top Layer w0.5: dTP29_R8.1@153.181,42.765 dTP29_Q1.3@153.181,45.027
  Top Layer w0.6: v3(153.083,46.536) 153.083,45.125 dTP29_Q1.3@153.181,45.027
  Bottom Layer w0.3: J1.A20@116.39,57.445 117.62,56.215 117.62,51.445 118.12,50.945
  Bottom Layer w0.38: v1(153.192,41.65) 153.169,41.627 153.169,41.227 153.414,40.982 dTP29_IC1.5@155.431,40.982
  Bottom Layer w0.6: 118.12,50.945 118.12,49.825 119.756,48.189 132.674,48.189 132.918,47.945 141.306,47.945 142.711,46.54 153.079,46.54 v3(153.083,46.536)
TP_59_41: dTP30_IC1.3 dTP30_Q2.3 dTP30_R7.1 J1.B20 | length 61.9
  Top Layer w0.38: v1(157.086,33.615) 157.109,33.638 157.109,34.688 dTP30_R7.1@157.136,34.715
  Top Layer w0.5: dTP30_R7.1@157.136,34.715 157.161,34.74 157.161,34.936 157.174,34.949 dTP30_Q2.3@157.174,37.015
  Top Layer w0.6: dTP30_Q2.3@157.176,36.99 157.178,36.99 157.49,37.302 157.49,43.972 157.253,44.209 v3(157.253,44.236)
  Layer 2 w0.3: J1.B20@116.39,54.905 117.62,53.675 117.62,51.445 118.12,50.945
  Layer 2 w0.6: 118.12,50.945 120.058,49.007 131.858,49.007 131.888,48.977 155.081,48.977 157.253,46.805 v3(157.253,44.236)
  Bottom Layer w0.38: dTP30_IC1.3@155.224,31.7 155.661,31.7 157.086,33.124 v1(157.086,33.615)
TP_60_41: dTP30_IC1.5 dTP30_Q1.3 dTP30_R8.1 J1.C20 | length 73.5
  Top Layer w0.3: J1.C20@116.39,52.365 117.62,53.595 117.62,55.334 118.461,56.175 119.399,56.175 120.18,56.955 120.18,57.894 123.286,61 147.778,61 150.833,57.945
  Top Layer w0.38: dTP30_R8.1@158.398,34.753 158.409,34.742 v1(158.409,33.638)
  Top Layer w0.5: dTP30_R8.1@158.398,34.753 dTP30_Q1.3@158.398,37.015
  Top Layer w0.6: 150.833,57.945 152.626,57.945 152.681,58 v3(154.5,58) ; dTP30_Q1.3@158.398,37.015 158.398,37.183 158.344,37.237 158.344,45.762 158.5,45.918 v3(158.5,45.945)
  Layer 1 w0.6: v3(154.5,58) 158.5,54 v3(158.5,45.945)
  Bottom Layer w0.38: v1(158.409,33.638) 158.386,33.615 158.386,33.215 158.631,32.97 dTP30_IC1.5@160.648,32.97
TP_61_41: dTP31_IC1.3 dTP31_Q2.3 dTP31_R7.1 J1.A21 | length 59.2
  Top Layer w0.38: v1(162.435,41.627) 162.458,41.65 162.458,42.7 dTP31_R7.1@162.485,42.727
  Top Layer w0.5: dTP31_R7.1@162.485,42.727 162.51,42.752 162.51,42.949 162.523,42.962 dTP31_Q2.3@162.523,45.027
  Top Layer w0.6: v3(162.4,47.195) 162.419,47.176 162.419,45.949 162.523,45.845 dTP31_Q2.3@162.523,45.027
  Layer 3 w0.3: J1.A21@118.93,57.445 120.24,56.135 120.24,51.445 120.861,50.824
  Layer 3 w0.6: 120.861,50.824 120.861,50.504 122.323,49.043 133.044,49.043 133.715,48.371 161.224,48.371 v3(162.4,47.195)
  Bottom Layer w0.38: dTP31_IC1.3@160.573,39.712 161.011,39.712 162.435,41.137 v1(162.435,41.627)
TP_62_41: dTP31_IC1.5 dTP31_Q1.3 dTP31_R8.1 J1.B21 | length 57.8
  Top Layer w0.38: dTP31_R8.1@163.747,42.765 163.758,42.755 v1(163.758,41.65)
  Top Layer w0.5: dTP31_R8.1@163.747,42.765 dTP31_Q1.3@163.747,45.027
  Top Layer w0.6: 163.693,46.436 163.693,45.403 163.735,45.361 163.735,45.037 163.745,45.027 dTP31_Q1.3@163.747,45.027 ; 163.705,46.457 v3(163.705,47.389)
  Bottom Layer w0.3: J1.B21@118.93,54.905 120.16,53.675 120.16,51.405 120.62,50.945
  Bottom Layer w0.38: v1(163.758,41.65) 163.735,41.627 163.735,41.227 163.98,40.982 dTP31_IC1.5@165.997,40.982
  Bottom Layer w0.6: 120.62,50.945 122.522,49.043 133.028,49.043 133.126,48.945 162.149,48.945 v3(163.705,47.389)